# Altium PCB SerializerBoard.PcbDoc (part 2 of 2) (continued)
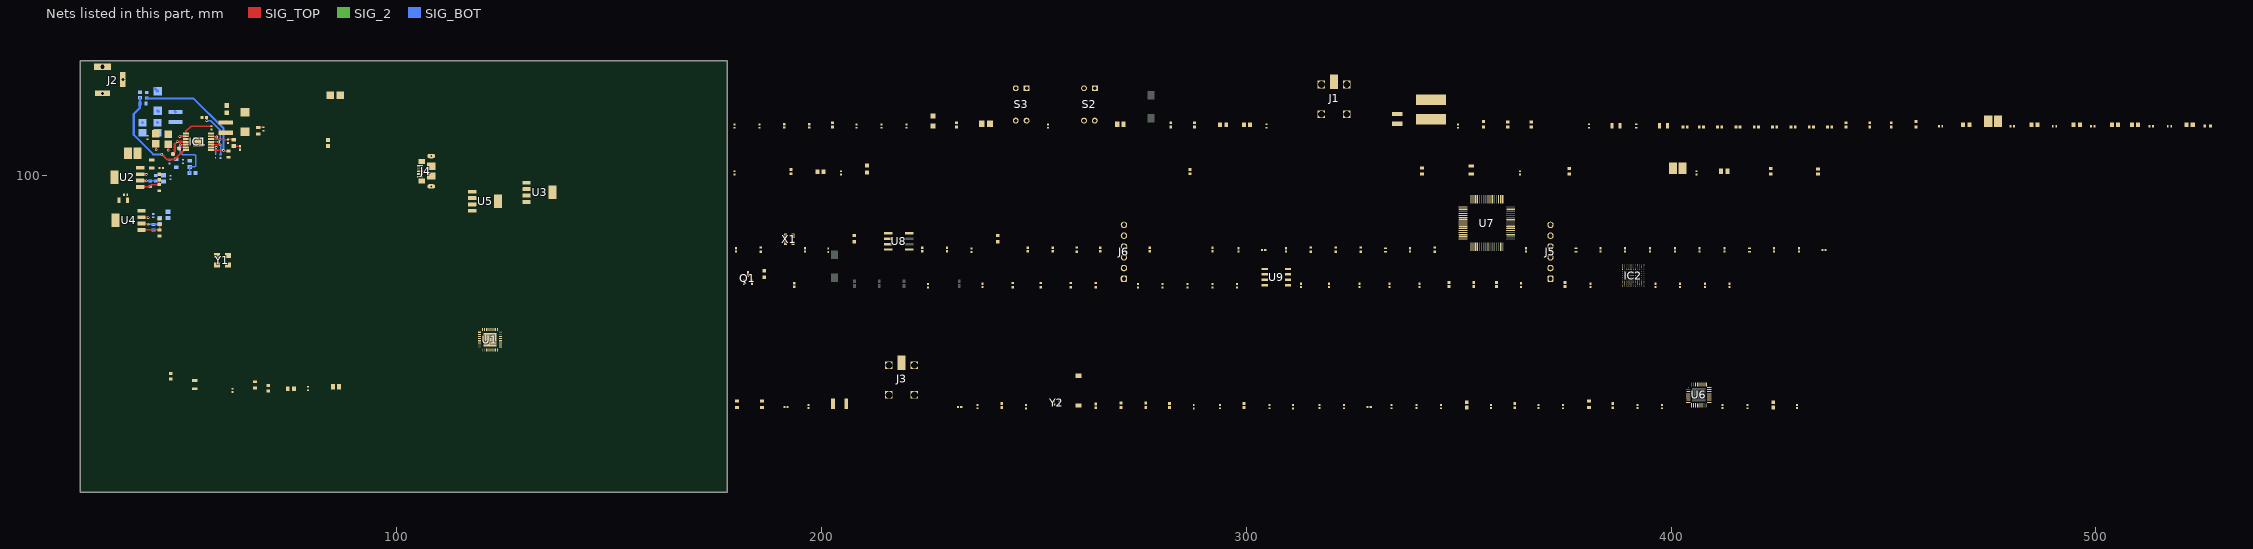
[diagram p5: the nets of this part, all layers, seen from the top]
## Part data (continued)
R27 R28 R62 R64 R93 R94 R95 R96 R97: library part CMP-2002-01154-4, "Chip Resistor, 4.7 KOhm, +/- 1%, 0.1 W, -55 to 155 degC, 0402 (1005 Metric), RoHS, Tape and Reel", Case Code (Imperial)=0402, Case Code (Metric)=1005, Max Operating Temperature="155 degC", Min Operating Temperature="-55 degC", Package Quantity=1, PartNumber=ERJ-2RKF4701X, Power Rating="100 mW", Resistance="4.7 KOhm", Tolerance=1%, Voltage Rating="50 V", Case\/Package=0402, ComponentLink1Description="Manufacturer URL", ComponentLink1URL=http://www.panasonic.com/, ComponentLink2Description=Datasheet, ComponentLink2URL=http://industrial.panasonic.com/cdbs/www-data/pdf/RDA0000/AOA0000C86.pdf, DatasheetVersion=04/2015, Height="0.35 mm", Length="1 mm", Mount="Surface Mount", Mounting Technology="Surface Mount", PackageDescription="2-Pin Surface Mount Device, Body 1 x 0.5 mm", PackageReference=0402, Packaging="Cut Tape", Pins=2, Radiation Hardening=No, REACH SVHC=Yes, RoHSCompliant=true, Width="0.5 mm"
R30: library part CMP-1666-00003-5, "RES Thick Film, 1kΩ, 1%, 0.1W, 100ppm/°C, 0603", Case Code (Imperial)=0603, Case Code (Metric)=1608, Max Operating Temperature=155°C, Max Power Dissipation=100mW, Min Operating Temperature=-55°C, Package Quantity=10, Resistance=1kR, Temperature Coefficient=100ppm/°C, Tolerance=1%, Voltage Rating=75V, Case/Package=0603, Composition="Thick Film", Contact Plating=Tin, Depth=0.85mm, Features="Automotive AEC-Q200", Height=0.45mm, Lead Free="Lead Free", Length=1.55mm, Military Standard=Not, Mount="Surface Mount", Number of Pins=2, Number of Terminations=2, Packaging="Tape and Reel", Power Rating=100mW, Radiation Hardening=No, Termination=SMD/SMT, Voltage Rating (DC)=75V, Weight=7.1E-05oz, Width=0.033inch
R31: library part CMP-2000-00413-2, "RES SMD 30K OHM 1% 1/10W 0603", Case Code (Imperial)=0603, Case Code (Metric)=1608, Max Operating Temperature=155°C, Max Power Dissipation=100mW, Min Operating Temperature=-55°C, Package Quantity=1, Resistance=30kR, Resistance Tolerance=1%, Resistor Type="Thick Film", Temperature Coefficient=100ppm/°C, Voltage Rating=75V, Case/Package=0603, Construction=Rectangular, Contact Plating=Tin, Depth=0.8mm, Features="Automotive AEC-Q200", Height=0.022inch, Lead Free="Lead Free", Length=1.6mm, Military Standard=Not, Mount="Surface Mount", Number of Terminations=2, Packaging="Tape and Reel", Power Rating=100mW, Radiation Hardening=No, REACH SVHC="No SVHC", RoHS Compliant=Yes, Series=ERJ, Size Code=0603, Termination=SMD/SMT, Tolerance=1%, Voltage Rating (DC)=75V, Width=0.031inch
R32 R37 R47 R48 R56 R57: library part CMP-2000-00700-2, "RES SMD 0 OHM JUMPER 1/10W 0603", Manufacturer=Panasonic, Manufacturer Part Number=ERJ-3GEY0R00V, Package=0603, Power Rating=0.1W, Resistance=0Ω, Temperature="-55°C to +155°C", Temperature Coefficient=-100/+600ppm/°C, Temperature Range High=+155°C, Temperature Range Low=-55°C, Tolerance=5%, Voltage Rating=75V, Automotive=Yes, Automotive Grade="Grade 0", Category=Res, ComponentLink2Description=Datasheet, ComponentLink2URL=https://industrial.panasonic.com/cdbs/www-data/pdf/RDA0000/AOA0000C301.pdf, Composition="Thick Film", Device Class L1="Passive Components", Device Class L2=Resistors, Device Class L3="Chip SMD Resistors", Digikey Description="RES SMD 0 OHM JUMPER 1/10W 0603", Footprint Url=https://industrial.panasonic.com/cdbs/www-data/pdf/RDA0000/DMA0000COL17.pdf, Height=0.55mm, Ipc Land Pattern Name=RESC16080X45, Lead Free=Yes, Mouser Description="Resistor, Chip Thick Film, 0 Ohm, 0.1w, Resistor, Chip Thick Film, 0 Ohm, 0.1w, 5%", Octopart=https://octopart.com/erj-3gey0r00v-panasonic-55389238, RoHS=TRUE, Series=ERJ
R33 R36 R43 R44 R45 R46 R51 R52 R54 R55: library part CMP-1012-00623-3, "Chip Resistor, 10 KOhm, +/- 1%, 0.1 W, -55 to 155 degC, 0603 (1608 Metric), RoHS, Tape and Reel", Case Code (Imperial)=0603, Case Code (Metric)=1608, Manufacturer=Panasonic, Max Operating Temperature=155degC, Max Power Dissipation=100mW, Min Operating Temperature=-55degC, Package Description="2-Pin Surface Mount Device, Body 1.6 x 0.85 mm", Package Quantity=1, Package Reference=603, Resistance=10KOhm, Temperature Coefficient=100ppm\/degreesC, Tolerance=1%, Voltage Rating=75V, Case\/Package=0603, Composition=ThickFilm, Contact Plating=Tin, Datasheet URL=https://industrial.panasonic.com/cdbs/www-data/pdf/RDA0000/AOA0000C304.pdf, Datasheet Version=02/2017, Depth=0.8mm, Height=0.45mm, Lead Free=LeadFree, Length=1.6mm, Manufacturer URL=http://www.panasonic.com/, Military Standard=Not, Mount=SurfaceMount, Mounting Technology=SurfaceMount, Number of Pins=2, Number of Terminations=2, Packaging=TapeandReel, Power Rating=100mW, Radiation Hardening=No, REACH SVHC=NoSVHC, RoHSCompliant=true, Termination=SMD/SMT, Voltage Rating (DC)=75V, Width=0.031inch
R34: library part CMP-04015-049715-1, "5.69kΩ ±0.1% 0.063W, 1/16W Chip Resistor 0402 (1005 Metric) Moisture Resistant Thin Film"
R35 R40: library part CMP-2000-00318-1, Manufacturer=Panasonic, Part Number=ERJ-3EKF2002V
R38: library part CMP-04015-048330-1, "53kΩ ±0.1% 0.063W, 1/16W Chip Resistor 0402 (1005 Metric) Moisture Resistant Thin Film"
R39: library part CMP-2000-00447-1, Manufacturer=Panasonic, Part Number=ERJ-3EKF3402V
R41 R42: library part CMP-2000-00279-1, Manufacturer=Panasonic, Part Number=ERJ-3EKF1652V
R49 R50: library part CMP-2000-00512-1, Manufacturer=Panasonic, Part Number=ERJ-3EKF4531V
R53: library part CMP-2002-01143-1, Manufacturer=Panasonic, Part Number=ERJ2RKF3300X
R60: library part CMP-1011-00363-3, "RES Thick Film, 49.9Ω, 1%, 0.063W, 100ppm/°C, 0402", Case Code (Imperial)=0402, Case Code (Metric)=1005, Max Operating Temperature=155°C, Max Power Dissipation=63mW, Min Operating Temperature=-55°C, Package Quantity=10, Temperature Coefficient=100ppm/°C, Tolerance=1%, Voltage Rating=50V, Case/Package=0402, Composition="Thick Film", Contact Plating=Tin, Depth=0.5mm, Features="Automotive AEC-Q200", Height=0.35mm, Lead Free="Lead Free", Length=1mm, Military Standard=Not, Mount="Surface Mount", Number of Terminations=2, Packaging="Tape and Reel", Power Rating=63mW, Radiation Hardening=No, Resistance=49.9R, Termination=SMD/SMT, Voltage Rating (DC)=50V, Weight=2.3E-05oz, Width=0.5mm
R61: library part CMP-2002-08531-1, Manufacturer="Vishay Dale", Part Number=CRCW040233R0JNED
R63 R65 R69 R88 R90 R91 R92: library part CMP-2002-03043-1, Manufacturer="Vishay Dale", Part Number=CRCW040210K0FKEDHP
R66 R67: library part CMP-2002-00052-3, "RES Thick Film, 4.7kΩ, 5%, 0.063W, 200ppm/°C, 0402", Case Code (Imperial)=0402, Case Code (Metric)=1005, Max Operating Temperature=155°C, Max Power Dissipation=63mW, Min Operating Temperature=-55°C, Package Quantity=1, Resistance=4.7kR, Temperature Coefficient=200ppm/°C, Tolerance=5%, Voltage Rating=50V, Case/Package=0402, Composition="Thick Film", Contact Plating=Tin, Depth=0.5mm, Features="Automotive AEC-Q200", Height=0.35mm, Length=1mm, Military Standard=Not, Number of Terminations=2, Packaging="Tape and Reel", Power Rating=63mW, Radiation Hardening=No, Termination=SMD/SMT, Weight=2.3E-05oz, Width=0.5mm
R70 R71: library part CMP-2002-08122-2, "RES Thick Film, 0Ω, 0.063W, 0402", Case Code (Imperial)=0402, Case Code (Metric)=1005, Max Operating Temperature=155°C, Max Power Dissipation=63mW, Min Operating Temperature=-55°C, Package Quantity=1, Resistance=0mR, Temperature Coefficient=100ppm/°C, Tolerance=5%, Voltage Rating=50V, Case/Package=0402, Composition="Thick Film", Contact Plating=Tin, Depth=0.5mm, Features="Automotive AEC-Q200", Height=0.35mm, Lead Free="Lead Free", Length=1mm, Military Standard=Not, Mount="Surface Mount", Number of Terminations=2, Packaging="Tape and Reel", Power Rating=63mW, Radiation Hardening=No, Termination=SMD/SMT, Voltage Rating (DC)=50V, Weight=2.3E-05oz, Width=0.5mm
R72 R73 R74 R75 R78 R80 R87 R98 R99 R100 R101: library part CMP-2002-07520-2, Case Code (Imperial)=0402, Max Operating Temperature=155°C, Min Operating Temperature=-55°C, Power Rating=63mW, Resistance=22Ω, Temperature Coefficient=100ppm/°C, Tolerance=1%, Voltage Rating=50V, Case/Package=0402, Composition="Thick Film", Depth=500µm, Height=400µm, Lead Free="Lead Free", Length=1mm, Military Standard=Not, Number of Pins=2, Packaging="Tape & Reel", REACH SVHC=Unknown, RoHS=Compliant, Schedule B="8533210045, 8533210045", Termination=SMD/SMT, Voltage Rating (AC)=50V, Voltage Rating (DC)=50V, Width=500µm
R76 R77 R79 R81 R84 R85 R103: library part CMP-2002-07343-1, Manufacturer="Yageo / Phycomp", Part Number=RC0402FR-07100KL
R82: library part CMP-2002-07571-1, Manufacturer=Yageo, Part Number=RC0402FR-072K49L
R83 R86 R102: library part CMP-2002-00074-1, Manufacturer="Vishay Dale", Part Number=CRCW0402510RFKED
R89: library part CMP-1011-00510-4, "Chip Resistor, 1 KOhm, +/- 1%, 100 mW, -55 to 155 degC, 0402 (1005 Metric), RoHS, Tape and Reel", Case Code (Imperial)=0402, Case Code (Metric)=1005, Manufacturer="Basic Passives", Max Operating Temperature="155 degC", Min Operating Temperature="-55 degC", Package Quantity=10000, PartNumber=ERJ-2RKF1001X, Power Rating="100 mW", Resistance="1 KOhm", Tolerance=1%, Voltage Rating="50 V", Case\/Package=0402, ComponentLink1Description="Manufacturer URL", ComponentLink1URL=http://www.panasonic.com/, ComponentLink2Description=Datasheet, ComponentLink2URL=http://industrial.panasonic.com/cdbs/www-data/pdf/RDA0000/AOA0000C86.pdf, DatasheetVersion=04/2015, Height="0.35 mm", Length="1 mm", Mount="Surface Mount", Mounting Technology="Surface Mount", PackageDescription="2-Pin Surface Mount Device, Body 1 x 0.5 mm", PackageReference=0402, Packaging="Tape and Reel", Pins=2, Radiation Hardening=No, REACH SVHC=Yes, RoHSCompliant=true, Width="0.5 mm"
RV1: "Varistor", Manufacturer_Name=Bourns, Mouser Part Number=652-CG0402MLU-3.3G, Arrow Part Number=CG0402MLU-3.3G, Arrow Price/Stock=https://www.arrow.com/en/products/cg0402mlu-3.3g/bourns?utm_currency=USD&region=nac, Datasheet Link=https://www.bourns.com/docs/Product-Datasheets/MLU.pdf, Height=0.41mm, Manufacturer_Part_Number=CG0402MLU-3.3G, Mouser Price/Stock=https://www.mouser.co.uk/ProductDetail/Bourns/CG0402MLU-3.3G?qs=m8myXnDJXpWVM8EQWErxtQ%3D%3D
RV2 RV3 RV4: library part CG0402MLU-3.3G, "Varistor", Manufacturer_Name=Bourns, Mouser Part Number=652-CG0402MLU-3.3G, Arrow Part Number=CG0402MLU-3.3G, Arrow Price/Stock=https://www.arrow.com/en/products/cg0402mlu-3.3g/bourns?utm_currency=USD&region=nac, Datasheet Link=https://www.bourns.com/docs/Product-Datasheets/MLU.pdf, Height=0.41mm, Manufacturer_Part_Number=CG0402MLU-3.3G, Mouser Price/Stock=https://www.mouser.co.uk/ProductDetail/Bourns/CG0402MLU-3.3G?qs=m8myXnDJXpWVM8EQWErxtQ%3D%3D
S1 S5: "Switch", Manufacturer_Name=Panasonic, Datasheet Link=https://industrial.panasonic.com/cdbs/www-data/pdf/ATK0000/ATK0000C376.pdf, Manufacturer_Part_Number=EVQPNF04M
S2 S3: "PCB Slide Switch Single Pole Single Throw (SPST) 150 mA Slide", Manufacturer_Name=Grayhill, Mouser Part Number=706-78B02ST, Datasheet Link=https://datasheet.datasheetarchive.com/originals/distributors/SFDatasheet-7/sf-000148477.pdf, Geometry.Height=7.49mm, Manufacturer_Part_Number=78B02ST, Mouser Price/Stock=https://www.mouser.co.uk/ProductDetail/Grayhill/78B02ST?qs=ls7QRyWmRk63wsT9ZvgLUg%3D%3D
S4: "Switch", Arrow Part Number="KSR221G LFS", Manufacturer_Name="C & K COMPONENTS", Mouser Part Number=611-KSR221G-LFS, Arrow Price/Stock=https://www.arrow.com/en/products/ksr221glfs/ck?utm_currency=USD&region=europe, Datasheet Link=http://www.ckswitches.com/media/1466/ksr.pdf, Manufacturer_Part_Number="KSR221G LFS", Mouser Price/Stock=https://www.mouser.co.uk/ProductDetail/CK/KSR221G-LFS?qs=nrpkpS80q8EnsbmSijdd7Q%3D%3D
TP1 TP2: library part TEST_POINT_RND_1MM, "Test Point Round 1mm (NO BOM)"
U1: "25- to 100-MHz, 10-bit & 12-bit FPD-Link III serializer 32-WQFN -40 to 105", Manufacturer_Name="Texas Instruments", Copyright="Copyright (C) 2025 Ultra Librarian. All rights reserved.", Manufacturer_Part_Number=DS90UB913ATRTVTQ1, RefDes=RefDes, Type=Type
U2 U3 U4 U5: library part CMP-0062-01809-4, "500mA Low Dropout CMOS Linear Regulators with Adjustable Output Stable with Ceramic Output Capacitors, 5-pin SOT-223, Pb-Free, 1000 Reel", Manufacturer="Texas Instruments", PackageTopMarking=XYTT*LJUB, PowerWise=Y, Code_IPC=SOT223-5, Code_JEDEC=TO-261-AB, ComponentLink1Description="Datasheet URL", ComponentLink1URL=http://www.ti.com/general/docs/lit/getliterature.tsp?genericPartNumber=LP38693-ADJ&fileType=pdf, CompType="LDO IC", High-Reliability=Y, PackageDescription="Moldec SOT-223, 6.50 x 3.56 x 1.6mm Body, 5 Lead, 1.5mm Pitch", PackageReference=NDC0005A, PartNumber=LP38693MP-ADJ/NOPB, PinCount=5, RoHS=Y
U6: library part CMP-04882-000010-1, "IC SERIALIZER FPD-LINK 32WQFN", Max Operating Temperature=105°C, Min Operating Temperature=-40°C, Mount="Surface Mount", Number of Inputs=12, Number Of Outputs=2, Packaging="Tape and Reel", RoHS Compliant=Yes
U7: library part CMP-0078-00023-3, "Dual High Speed USB To Multipurpose UART/FIFO IC, 64-pin LQFP, Tape and Reel", Manufacturer=FTDI, ComponentLink1Description="Manufacturer URL", ComponentLink1URL=http://www.ftdichip.com/, ComponentLink2Description=Datasheet, ComponentLink2URL=http://www.ftdichip.com/Support/Documents/DataSheets/ICs/DS_FT2232H.pdf, DatasheetVersion="ver 2.21, Jun-2012", PackageDescription="64-Pin Thin Quad Flat Pack, 10 x 10 x 1.4 mm Body, 0.5 mm Pitch", PackageReference=LQFP-64, PackageVersion=Jun-12, PartNumber=FT2232HL-Reel, RevisionNote="DatasheetVersion updated to 2.21 Jun-2012"
U8: "No Description Available", Manufacturer_Name=Microchip, Copyright="Copyright (C) 2025 Ultra Librarian. All rights reserved.", Manufacturer_Part_Number=AT93C46EN-SH-B, RefDes=RefDes, Type=Type
U9: "No Description Available", Manufacturer_Name=Winbond, Copyright="Copyright (C) 2026 Ultra Librarian. All rights reserved.", Manufacturer_Part_Number=W25Q40CLSNIG, RefDes=RefDes, Type=Type
X1: "Description", Manufacturer_Name="ECS International", Copyright="Copyright (C) 2025 Ultra Librarian. All rights reserved.", Manufacturer_Part_Number=ECS-2520MV-120-BN-TR, RefDes=RefDes, Type=Type
Y1: "miniature SMD crystal controlled oscillators", Package=None, Availability=Unavailable, MP=ECS-3963-480-BN-TR, Price=None
Y2: "Crystal or Oscillator", Manufacturer_Name=Microchip, Datasheet Link=https://ww1.microchip.com/downloads/aemDocuments/documents/TCG/ProductDocuments/DataSheets/DSC61xxB-Ultra-Small-Ultra-Low-Power-MEMS-Oscillator-DS20006155.pdf, Height=0.89mm, Manufacturer_Part_Number=DSC6111HI1B-048.0000B

## Via types
v1: diameter 0.6, hole 0.3, SIG_TOP to SIG_BOT, 16 vias

## Nets (pads, with @x,y where several pads share a name; then routed paths per layer and width w, separated by ;. In a path a pad name is that pad's centre, name@x,y a point inside that pad or via, vN(x,y) a via of type N, cw(c..) or ccw(c..) an arc to the next point about the centre after c; other vN are vias at no path point)
+1.8_USB: C54.2 C55.1 C79.1 C80.1 C81.1 C93.1 R50.2 U5.3 U7.12 U7.37 U7.49 U7.64
+3V3_FPGA: C106.1 J6.5 R102.2
+3V3_USB: C42.2 C43.1 C84.1 C85.1 C86.1 C87.1 C90.1 C95.1 FB6.1 FB7.1 R42.2 R81.2 R82.1 R83.2 R84.2 R85.2 R86.2 U3.3 U7.20 U7.31 U7.42 U7.50 U7.56 X1.1 X1.4
+5V_USB: C41.2 C45.2 C47.1 C52.1 C53.2 C91.1 FB8.1 J4.1 R44.1 R52.1 U3.4 U5.4
+VDD3P3: C96.1 C97.1 C98.1 C99.1 C100.1 C101.1 C102.1 C103.1 C104.1 C105.1 IC2.D5 IC2.D6 IC2.D8 IC2.E5 IC2.F7 IC2.F8 IC2.G7 IC2.H5 IC2.H6 IC2.H8 R88.1 R89.2 R90.1 R91.1 R92.1 R93.2 R94.2 R95.2 R96.2 R97.2 U9.8
+VDD5V: C16.2 C17.1 C24.1 C25.1 C26.2 C38.2 C44.2 C46.1 C48.1 C49.2 C77.1 C78.1 FB2.2 IC1.3 L3.2 R31.1 R43.1 R51.1 R71.2 U2.4 U4.4 | length 1
  SIG_TOP w0.5: C25.1@42.899,109.425 C25.1@43.225,109.751 ; C24.1@46.125,109.651 C24.1@46.15,109.676 ; L3.2@59.725,112.41 L3.2@59.925,112.61
  SIG_TOP w0.7: L3.2@59.585,112.55 L3.2@59.725,112.41
BUCK_SW_2: C23.1 D1.1 IC1.14 L3.1 R30.1
CHASSIS_GND: J4.6 J4.7 J4.8 J4.9 J4.10 J4.11
CLK_12MHZ_5: R87.1 X1.3
CLKIN_1: R12.1 R15.1 U1.18
CLKO_D13: IC2.B10 R11.1 U1.17
coax_out_d13_1: C18.1 FB3.1 J1.1
coax_out_d33: C61.2 J3.1 L5.1
CSSPIN_6: IC2.K10 R92.2 U9.1
DIN0_S1: IC2.H9 R1.1 U1.19
DIN1_S1: IC2.J1 R2.1 U1.20
DIN2_S1: IC2.J2 R3.1 U1.21
DIN3_S1: IC2.J3 R4.1 U1.22
DIN4_S1: IC2.J4 R5.1 U1.23
DIN5_S1: IC2.J5 R6.1 U1.24
DIN6_S1: IC2.J6 R7.1 U1.26
DIN7_S1: IC2.J7 R8.1 U1.27
DIN8_S1: IC2.J10 R9.1 U1.29
DIN9_S1: IC2.J11 R10.1 U1.30
DIN_D33_0: IC2.C1 U6.19
DIN_D33_1: IC2.K3 U6.20
DIN_D33_2: IC2.K4 U6.21
DIN_D33_3: IC2.K5 U6.22
DIN_D33_4: IC2.K8 U6.23
DIN_D33_5: IC2.K9 U6.24
DIN_D33_6: IC2.L3 U6.26
DIN_D33_7: IC2.L4 U6.27
DIN_D33_8: IC2.L5 U6.29
DIN_D33_9: IC2.L10 U6.30
DONE_6: IC2.D4 Q1.1
EN1_2: IC1.8 R32.1 R33.2 | length 30.4
  SIG_TOP w0.3: IC1.8@56.201,105.95 56.276,105.875 56.964,105.875 59.138,105.875 v1(59.144,105.869) 59.225,105.869 59.369,105.725 R32.1@60.3,105.725
  SIG_BOT w0.5: R33.2@41.082,118.218 41.225,118.075 52.125,118.075 59.144,111.056 v1(59.144,105.869)
EN2_2: IC1.7 R36.2 R37.1 | length 24.9
  SIG_TOP w0.5: v1@44.669,104.931 45.825,103.775 47.687,103.775 49.862,105.95 IC1.7@50.325,105.95
  SIG_BOT w0.5: R36.2@39.5,118.275 39.488,118.263 39.488,116.962 R37.1@39.475,116.95 39.45,116.925 39.45,115.875 38.025,114.45 38.025,109.55 42.625,104.95 v1(44.65,104.95)
FTDI_EECLK_5: R81.1 U7.62 U8.2
FTDI_EECS_5: R84.1 U7.63 U8.1
FTDI_EEDATA_5: R82.2 U7.61 U8.3
FTDI_NRST_5: R76.1 R77.2 U7.14
FTDI_OSCI_5: R87.2 U7.2
FTDI_REF_5: R79.2 U7.6
FTDI_RX_5: R80.1 U7.39
FTDI_RX_LED_A_5: LED2.2 R83.1
FTDI_RX_LED_K_5: LED2.1 U7.54
FTDI_TCK_5: R72.1 U7.16
FTDI_TDI_5: R73.1 U7.17
FTDI_TDO_5: R74.1 U7.18
FTDI_TMS_5: R75.1 U7.19
FTDI_TX_5: R78.1 U7.38
FTDI_TX_LED_A_5: LED3.2 R86.1
FTDI_TX_LED_K_5: LED3.1 U7.55
FTDI_USB_D_5_N: J4.2 U7.7
FTDI_USB_D_5_P: J4.3 U7.8
FTDI_VPHY_5: C88.1 C89.1 FB7.2 U7.4
FTDI_VPLL_5: C82.1 C83.1 FB6.2 U7.9
GND: 32.2 C1.1 C2.1 C3.1 C4.1 C5.1 C6.1 C7.1 C8.1 C9.2 C10.1 C11.1 C12.1 C13.1 C14.1 C15.2 C16.1 C17.2 C20.2 C21.1 C22.1 C24.2 C25.2 C26.1 C27.2 C28.2 C29.1 C30.2 C31.2 C32.1 C33.1 C34.2 C35.1 C36.1 C38.1 C39.1 C40.2 C41.1 C42.1 C43.2 C44.1 C45.1 C46.2 C47.2 C48.2 C49.1 C50.1 C51.2 C52.2 C53.1 C54.1 C55.2 C56.2 C57.2 C58.2 C59.1 C60.2 C63.2 C64.1 C65.2 C66.2 C67.1 C68.2 C69.2 C70.1 C71.2 C72.1 C73.2 C74.2 C75.2 C76.2 C77.2 C78.2 C79.2 C80.2 C81.2 C82.2 C83.2 C84.2 C85.2 C86.2 C87.2 C88.2 C89.2 C90.2 C91.2 C92.2 C93.2 C94.2 C95.2 C96.2 C97.2 C98.2 C99.2 C100.2 C101.2 C102.2 C103.2 C104.2 C105.2 C106.2 D1.2 IC1.13 IC1.15 IC2.A1 IC2.A11 IC2.E6 IC2.E7 IC2.F5 IC2.F6 IC2.G5 IC2.G6 IC2.L1 IC2.L11 J1.2 J1.3 J1.4 J1.5 J2.2 J2.3 J3.2 J3.3 J3.4 J3.5 J4.5 J6.6 LED1.1 Q1.2 R1.2 R2.2 R3.2 R4.2 R5.2 R6.2 R7.2 R8.2 R9.2 R10.2 R11.2 R12.2 R16.2 R19.1 R20.2 R22.2 R25.1 R32.2 R34.2 R37.2 R38.2 R40.2 R45.2 R46.2 R47.2 R48.2 R54.2 R55.2 R56.2 R57.2 R59.2 R60.2 R62.1 R64.1 R77.1 R79.1 R103.1 S2.1 S2.2 S4.2 U1.33 U2.5 U3.5 U4.5 U5.5 U6.7 U7.1 U7.5 U7.10 U7.11 U7.13 U7.15 U7.25 U7.35 U7.47 U7.51 U8.5 U9.4 X1.2 Y1.2 Y2.2 | length 4.8
  SIG_TOP w0.3: C25.2@43.225,107.399 43.3,107.324 v1(43.3,106.025) ; v1(46.125,105.925) 46.125,107.299 C24.2@46.15,107.324 ; IC1.13@56.201,109.2 56.276,109.125 57.344,109.125 57.444,109.025 v1(57.525,109.025)
  SIG_2 w0.3: J2.3@35.475,122.55 J2.3@35.875,122.15
INIT_6: IC2.C3 R95.1
JTAG_TCK_6: J6.4 R101.2
JTAG_TDI_6: J6.1 R98.2
JTAG_TDO_6: J6.2 R99.2
JTAG_TMS_6: J6.3 R100.2
LED_DONE_A_6: LED4.2 R102.1
LED_DONE_K_6: LED4.1 Q1.3
MCLK_6: IC2.J8 J5.4 R89.1 U9.6
MODE_TX_1: R21.2 S3.3 S3.4 U1.8
NetC3_2: C3.2 C4.2 FB1.1 U1.10
NetC7_2: C7.2 C8.2 U1.11
NetC14_2: C14.2 C15.1 FB2.1 L2.2 R13.2
NetC18_2: C18.2 U1.13
NetC19_1: C19.1 U1.12
NetC19_2: C19.2 R16.1
NetC21_2: C21.2 R26.2 R28.2 U1.5
NetC22_2: C22.2 R23.2 R27.2 U1.4
NetC27_1: C27.1 C28.1 IC1.2 L4.2 | length 1.5
  SIG_TOP w0.5: v1(48.825,109.125) 48.852,109.125 48.927,109.2 IC1.2@50.325,109.2
NetC29_2: C29.2 R30.2 | length 1.3
  SIG_TOP w0.3: R30.2@67.325,111.25 67.362,111.287 68.537,111.287 C29.2@68.575,111.325
NetC30_1: C30.1 C31.1 D2.1 L4.1 | length 0.5
  SIG_BOT w0.7: C30.1@40.1,112.402 C30.1@40.113,112.415 ; C31.1@43.587,112.415 C31.1@43.6,112.427 C31.1@43.637,112.465 ; D2.1@43.637,115.162 D2.1@43.675,115.2 D2.1@43.808,115.067 ; L4.1@47.718,115.067 L4.1@47.85,114.935
NetC32_2: C32.2 R35.2 | length 1.5
  SIG_TOP w0.3: R35.2@61.575,106.925 61.65,106.85 C32.2@63.05,106.85
NetC33_2: C33.2 IC1.12 R35.1 | length 5.5
  SIG_TOP w0.3: IC1.12@56.201,108.55 56.276,108.475 59.2,108.475 59.275,108.4 C33.2@60.2,108.4 ; C33.2@60.2,108.45 61.5,108.45 R35.1@61.575,108.375
NetC37_1: 32.1 IC1.10 | length 4.5
  SIG_TOP w0.3: IC1.10@56.201,107.25 56.251,107.2 v1(58.35,107.2)
  SIG_BOT w0.3: v1(58.35,107.2) 58.35,107.119 58.475,106.994 32.1@58.475,104.9
NetC58_1: C58.1 C59.2 C60.1 FB4.1 U6.10
NetC61_1: C61.1 U6.13
NetC62_1: C62.1 U6.12
NetC62_2: C62.2 R60.1
NetC66_1: C66.1 C67.2 C68.1 FB5.1 U6.14
NetC74_1: C74.1 R63.1 R64.2 U6.6
NetC75_1: C75.1 R65.1 S4.1
NetC92_1: C92.1 FB8.2 R76.2
NetC94_1: C94.1 U8.8
NetFB3_2: FB3.2 L1.1 R14.1
NetIC1_5: IC1.5 R39.2 R40.1 | length 12.5
  SIG_TOP w0.3: v1(49,107.225) 49.012,107.237 50.313,107.237 IC1.5@50.325,107.25
  SIG_BOT w0.3: v1(49,107.225) 49,105.375 49.55,104.825 52.399,104.825 52.575,104.649 52.575,102.151 52.399,101.975 R39.2@51.2,101.975 51.2,100.625 R40.1@51.125,100.55
NetIC1_6: IC1.6 TP2.1 | length 1.7
  SIG_TOP w0.3: TP2.1@48.7,106.35 48.889,106.35 49.137,106.598 50.323,106.598 IC1.6@50.325,106.6
NetIC1_9: IC1.9 R38.1 | length 2.9
  SIG_TOP w0.3: IC1.9@56.201,106.6 56.213,106.587 57.438,106.587 v1(57.45,106.575)
  SIG_BOT w0.3: R38.1@57.3,105.025 57.3,106.344 57.45,106.494 v1(57.45,106.575)
NetIC1_11: IC1.11 R31.2 R34.1 | length 9.7
  SIG_TOP w0.3: R34.1@55.164,113.6 55.164,112.947 v1(55.211,112.9) ; IC1.11@56.201,107.9 56.226,107.875 57.975,107.875 v1(58,107.85)
  SIG_BOT w0.3: v1(55.211,112.9) 56.125,112.9 58.45,110.575 58.45,108.3 v1(58,107.85)
NetIC2_B1: IC2.B1 R61.1
NetIC2_C5: IC2.C5 R103.2
NetL1_2: L1.2 L2.1 R13.1 R14.2
NetL5_2: L5.2 L6.1 R70.1
NetL6_2: L6.2 R70.2 R71.1
NetLED1_2: LED1.2 R53.2
NetR15_2: R15.2 Y1.3
NetR20_1: R20.1 S3.1
NetR22_1: R22.1 S3.2
NetR24_2: R24.2 R25.2 U1.6
NetR41_1: R41.1 R45.1 U2.2 | length 3.7
  SIG_TOP w0.3: U2.2@39.55,98.775 39.562,98.762 40.987,98.762 v1(41,98.75)
  SIG_BOT w0.3: v1(41,98.75) 41.037,98.713 41.912,98.713 R45.1@41.95,98.675 41.962,98.687 43.187,98.687 R41.1@43.2,98.7
NetR42_1: R42.1 R46.1 U3.2
NetR43_2: R43.2 R47.1 U2.1 | length 5.9
  SIG_TOP w0.3: U2.1@39.55,97.275 41.612,97.275 42.162,97.825 R47.1@44.025,97.825 R43.2@44.025,98.975
NetR44_2: R44.2 R48.1 U3.1
NetR49_1: R49.1 R54.1 U4.2 | length 4.3
  SIG_TOP w0.3: U4.2@39.875,88.65 39.943,88.582 41.343,88.582 v1(41.4,88.525)
  SIG_BOT w0.3: v1(41.4,88.525) 41.438,88.487 42.638,88.487 R54.1@42.675,88.45 44.025,88.45 R49.1@44.1,88.525
NetR50_1: R50.1 R55.1 U5.2
NetR51_2: R51.2 R56.1 U4.1 | length 5.6
  SIG_TOP w0.3: U4.1@39.875,87.15 R56.1@44.125,87.15 44.1,87.175 R51.2@44.1,88.45
NetR52_2: R52.2 R57.1 U5.1
NetR58_2: R58.2 R59.1 Y1.1
NetR61_2: R61.2 U6.17
NetR68_1: R68.1 Y2.3
NetR68_2: R68.2 U6.18
NetR69_1: R69.1 Y2.1
NetR85_1: R85.1 U8.4
NetR90_2: R90.2 U9.7
NetR91_2: R91.2 U9.3
PCLK_D13_50MHZ: IC2.L6 U1.3
PCLK_D33_50MHZ: IC2.L7 U6.3
PDB_1: C20.1 R17.1 S2.4 U1.9
PROGRAM_6_N: IC2.C4 R97.1
RES_1: R18.1 R19.2 S2.3 U1.7
SCL: IC2.A5 J5.1 R23.1 R67.1 U6.4
SDA: IC2.B5 J5.2 R26.1 R66.1 U6.5
SISPI_6: IC2.K2 J5.5 U9.5
SN_6: IC2.L2 J5.6 R88.2
SPISO_6: IC2.H7 J5.3 U9.2
TCK: IC2.C7 R72.2 R101.1
TDI: IC2.A8 R73.2 R93.1 R98.1
TDO: IC2.D7 R74.2 R96.1 R99.1
TMS: IC2.C6 R75.2 R94.1 R100.1
UART_RX: IC2.H4 R80.2
UART_TX: IC2.H3 R78.2
VBOOT_2: C23.2 IC1.1 | length 7
  SIG_TOP w0.3: IC1.1@50.325,109.85 50.325,110.375 51.525,111.575 C23.2@56.35,111.575
VDD1P8: C1.2 C2.2 C5.2 C6.2 C11.2 C12.2 C13.2 C50.2 C51.1 C63.1 C64.2 C65.1 C71.1 C72.2 C73.1 FB1.2 FB4.2 FB5.2 R21.1 R24.1 R49.2 R62.2 R63.2 U1.14 U1.28 U4.3 U6.8 U6.11 U6.28 | length 1.7
  SIG_TOP w0.3: v1@41.325,90.15 v1(41.413,90.062)
  SIG_TOP w0.5: U4.3@39.875,90.15 39.962,90.062 v1(41.413,90.062)
VDD3P3: C9.1 C10.2 C34.1 C35.2 C36.2 C39.2 C40.1 C56.1 C57.1 C69.1 C70.2 C76.1 IC1.4 R27.1 R28.1 R39.1 R41.2 R53.1 R58.1 R65.2 R66.2 R67.2 R69.2 TP1.1 U1.25 U2.3 U6.9 U6.25 Y1.4 Y2.4 | length 6.9
  SIG_TOP w0.5: U2.3@39.55,100.275 39.562,100.262 41.013,100.262 v1@41.025,100.25 ; TP1.1@47.25,105 47.25,105.111 47.682,105.543 47.682,107.33 48.275,107.923 v1(48.275,107.95) 48.302,107.95 48.352,107.9 IC1.4@50.325,107.9
  other v1: 40.97,100.215
VDD3P3_A: R17.2 R18.2
VDD20V: D2.2 J2.1 R33.1 R36.1 | length 1
  SIG_BOT w0.7: D2.2@43,120.475 43,120.45 43.65,119.8 D2.2@43.675,119.8
pads on no net: IC2.A2 IC2.A3 IC2.A4 IC2.A6 IC2.A7 IC2.A9 IC2.A10 IC2.B2 IC2.B3 IC2.B4 IC2.B6 IC2.B7 IC2.B8 IC2.B9 IC2.B11 IC2.C2 IC2.C8 IC2.C9 IC2.C10 IC2.C11 IC2.D1 IC2.D2 IC2.D3 IC2.D9 IC2.D10 IC2.D11 IC2.E1 IC2.E2 IC2.E3 IC2.E4 IC2.E8 IC2.E9 IC2.E10 IC2.E11 IC2.F1 IC2.F2 IC2.F3 IC2.F4 IC2.F9 IC2.F10 IC2.F11 IC2.G1 IC2.G2 IC2.G3 IC2.G4 IC2.G8 IC2.G9 IC2.G10 IC2.G11 IC2.H1 IC2.H2 IC2.H10 IC2.H11 IC2.J9 IC2.K1 IC2.K6 IC2.K7 IC2.K11 IC2.L8 IC2.L9 J4.4 RV1.1 RV1.2 RV2.1 RV2.2 RV3.1 RV3.2 RV4.1 RV4.2 S1.A1 S1.B1 S5.A1 S5.B1 U1.1 U1.2 U1.15 U1.16 U1.31 U1.32 U6. U6.1 U6.2 U6.15 U6.16 U6.31 U6.32 U7.3 U7.21 U7.22 U7.23 U7.24 U7.26 U7.27 U7.28 U7.29 U7.30 U7.32 U7.33 U7.34 U7.36 U7.40 U7.41 U7.43 U7.44 U7.45 U7.46 U7.48 U7.52 U7.53 U7.57 U7.58 U7.59 U7.60 U8.6 U8.7

## Polygon pours and split planes (outlines as drawn)
VDD1P8 on SIG_BOT "VDD1P8_L06_P026" (solid, pour order 26): 41.05,90.45 46.7,90.45 46.725,90.475 46.85,90.35 46.85,89.394 41.081,89.394 40.95,89.525 40.95,90.425
VDD3P3 on SIG_BOT "VDD3P3_L06_P020" (solid, pour order 20): 44.5,100.731 44.581,100.65 47.325,100.65 47.325,99.675 47.003,99.65 46.8,99.65 44.333,99.65
VDD3P3 on SIG_BOT "VDD3P3_L06_P017" (solid, pour order 17): 46.551,104.124 40.725,104.15 40.625,104.05 40.625,99.525 45.775,99.525 45.752,102.802 46.261,103.311
no net on SIG_BOT "NONET_L06_P000" (solid, pour order 0): 38.947,113.529 38.972,113.554 42.447,113.554
NetC30_1 on SIG_BOT "NETC30_1_L06_P001" (solid, pour order 1): 38.972,113.554 42.029,113.554 42.275,113.8 42.275,116.625 49.8,116.625 50.15,116.275 50.075,116.2 50.075,113.825 45.65,113.825 44.903,113.078 44.903,111.251 38.972,111.251
NetC27_1 on SIG_BOT "NETC27_1_L06_P002" (solid, pour order 2): 46.1,108.962 48.852,108.741 49.175,108.8 49.225,109.225 49.225,111.725 49.525,111.725 49.925,112.125 49.825,112.225 49.825,113.4 46.15,113.4 46.075,113.325 46.1,113.3
VDD20V on SIG_BOT "VDD20V_L06_P003" (solid, pour order 3): 44.825,118.775 44.725,118.875 44.725,120.975 38.375,120.975 38.125,121.225 38.125,126.125 37.85,126.4 37.7,126.25 28.225,126.25 28.225,125.7 27.9,125.375 27.9,124.75 28.35,124.3 28.5,124.45 33.3,124.45 33.3,124.675 33.6,124.975 33.7,124.875 36.75,124.875 36.75,119.375 37.1,119.025 42.075,119.025 42.55,118.55 42.7,118.7 44.725,118.7
VDD3P3 on SIG_BOT "VDD3P3_L06_P009" (solid, pour order 9): 46.025,103.875 46.025,103.425 46.175,103.275 49.175,103.275 50.125,103.275 50.5,102.9 51.75,102.9 51.75,103.975 51.7,104.025 48.7,104.025 48.625,104.1 48.625,108.125 48.35,108.4 47.85,108.4 47.475,108.025 47.475,104.125 46.275,104.125
+VDD5V on SIG_TOP "+VDD5V_L01_P024" (solid, pour order 24): 41.05,91.75 41.1,91.8 44.7,91.8 44.7,89.225 44.575,89.1 43.5,89.1 43.5,90.825 43.375,90.95 41.05,90.95
+VDD5V on SIG_TOP "+VDD5V_L01_P015" (solid, pour order 15): 40.322,101.15 43.05,101.15 43.55,100.65 43.55,99.625 44.625,99.625 44.625,101.225 44.5,101.35 44.5,102.225 40.35,102.225 40.325,102.25
+VDD5V on SIG_TOP "+VDD5V_L01_P013" (solid, pour order 13): 41.075,93.25 41.05,93.275 41.05,94.15 41.075,94.175 41.075,95.425 38.275,95.425 38.275,101.5 37.75,101.475 37.775,101.5 37.775,103 35.975,103 35.9,102.925 36.05,102.775 36.2,90.95 41.05,90.95
+VDD5V on SIG_TOP "+VDD5V_L01_P012" (solid, pour order 12): 40.5,101.225 40.9,101.625 40.9,112.3 37.75,112.3 37.75,101.425 38.025,101.15 40.55,101.15
+VDD5V on SIG_TOP "+VDD5V_L01_P006" (solid, pour order 6): 40.875,109.62 40.875,109.026 40.978,108.923 41.852,108.923 42.3,108.475 42.325,108.5 47.75,108.5 47.95,108.3 47.975,108.325 51.05,108.325 51.05,108.75 51.075,108.775 48.325,108.775 48.325,109.687 50.563,111.925 61.55,111.925 61.825,112.2 61.775,112.25 61.775,115.425 59.325,115.425 58.875,114.975 58.894,114.956 58.894,113.671 57.796,113.671 56.425,112.3 40.85,112.3 40.85,109.576
NetIC1_11 on SIG_TOP "NETIC1_11_L01_P011" (solid, pour order 11): 54.65,113.85 58.1,117.3 60.8,117.3 60.8,115.975 60.425,115.6 58.9,115.6 58.625,115.325 58.65,115.3 58.65,114.025 57.725,114.025 56.175,112.475 54.7,112.475 54.7,113.8
BUCK_SW_2 on SIG_TOP "BUCK_SW_2_L01_P004" (solid, pour order 4): 55.463,110.4 55.425,110.362 55.425,109.5 61.65,109.5 62.15,109 67.65,109 67.925,109.275 67.925,110.5 66.35,110.5 66.25,110.4 65.275,111.375 65.275,111.525 62.6,111.525 61.85,110.775 61.5,111.125 55.45,111.125 55.45,109.525
no net on GND (split plane): 177.29,25.91 25.91,25.91 25.91,126.49 177.29,126.49
no net on GND_1 (split plane): 177.29,25.91 25.91,25.91 25.91,126.49 177.29,126.49

## Text inside footprints (layer, text, board x,y; h text height)
J1: Top 3D Body "PCB EDGE" at 325.766,123.806 h0.81
J3: Top 3D Body "PCB EDGE" at 223.936,57.703 h0.81
LED2: Top 3D Body "RefDes2" at 242.122,82.882 h1.27 r90; Top Overlay "REFDES" at 242.122,82.882 h1.27 r90; Top Overlay "RefDes" at 242.122,83.199 h1.27 r90
LED3: Top 3D Body "RefDes2" at 208.345,82.882 h1.27 r90; Top Overlay "REFDES" at 208.345,82.882 h1.27 r90; Top Overlay "RefDes" at 208.345,83.199 h1.27 r90
LED4: Top 3D Body "RefDes2" at 187.144,74.531 h1.27 r90; Top Overlay "REFDES" at 187.144,74.531 h1.27 r90; Top Overlay "RefDes" at 187.144,74.849 h1.27 r90
U1: Top 3D Body "RefDes2" at 122.535,59.077 h1.27 r90; Top 3D Body "*" at 120.535,58.907 h1.27 r90; Top Overlay "REFDES" at 122.535,59.077 h1.27 r90; Top Overlay "RefDes" at 122.535,59.395 h1.27 r90; Top Overlay "*" at 120.535,57.569 h1.27 r90
U8: Top 3D Body "*" at 216.204,85.633 h1.27; Top Overlay "*" at 215.099,86.793 h1.27
U9: Top 3D Body "*" at 305.135,77.197 h1.27; Top Overlay "*" at 303.769,78.391 h1.27
X1: Top 3D Body "RefDes2" at 193.019,82.707 h1.27 r90; Top Overlay "RefDes" at 193.019,83.024 h1.27 r90; Top Overlay "REFDES" at 193.019,82.707 h1.27 r90